# Altium PCB pcb.PcbDoc (part 2 of 2)
Units mm, origin at the board's own origin, x right, y up, seen from the top; angles counter-clockwise.
Board outline 68.58 x 53.34 mm, 2 copper layers (Top Layer, Bottom Layer); 105 components, 71 nets, 323 pads, 73 vias.
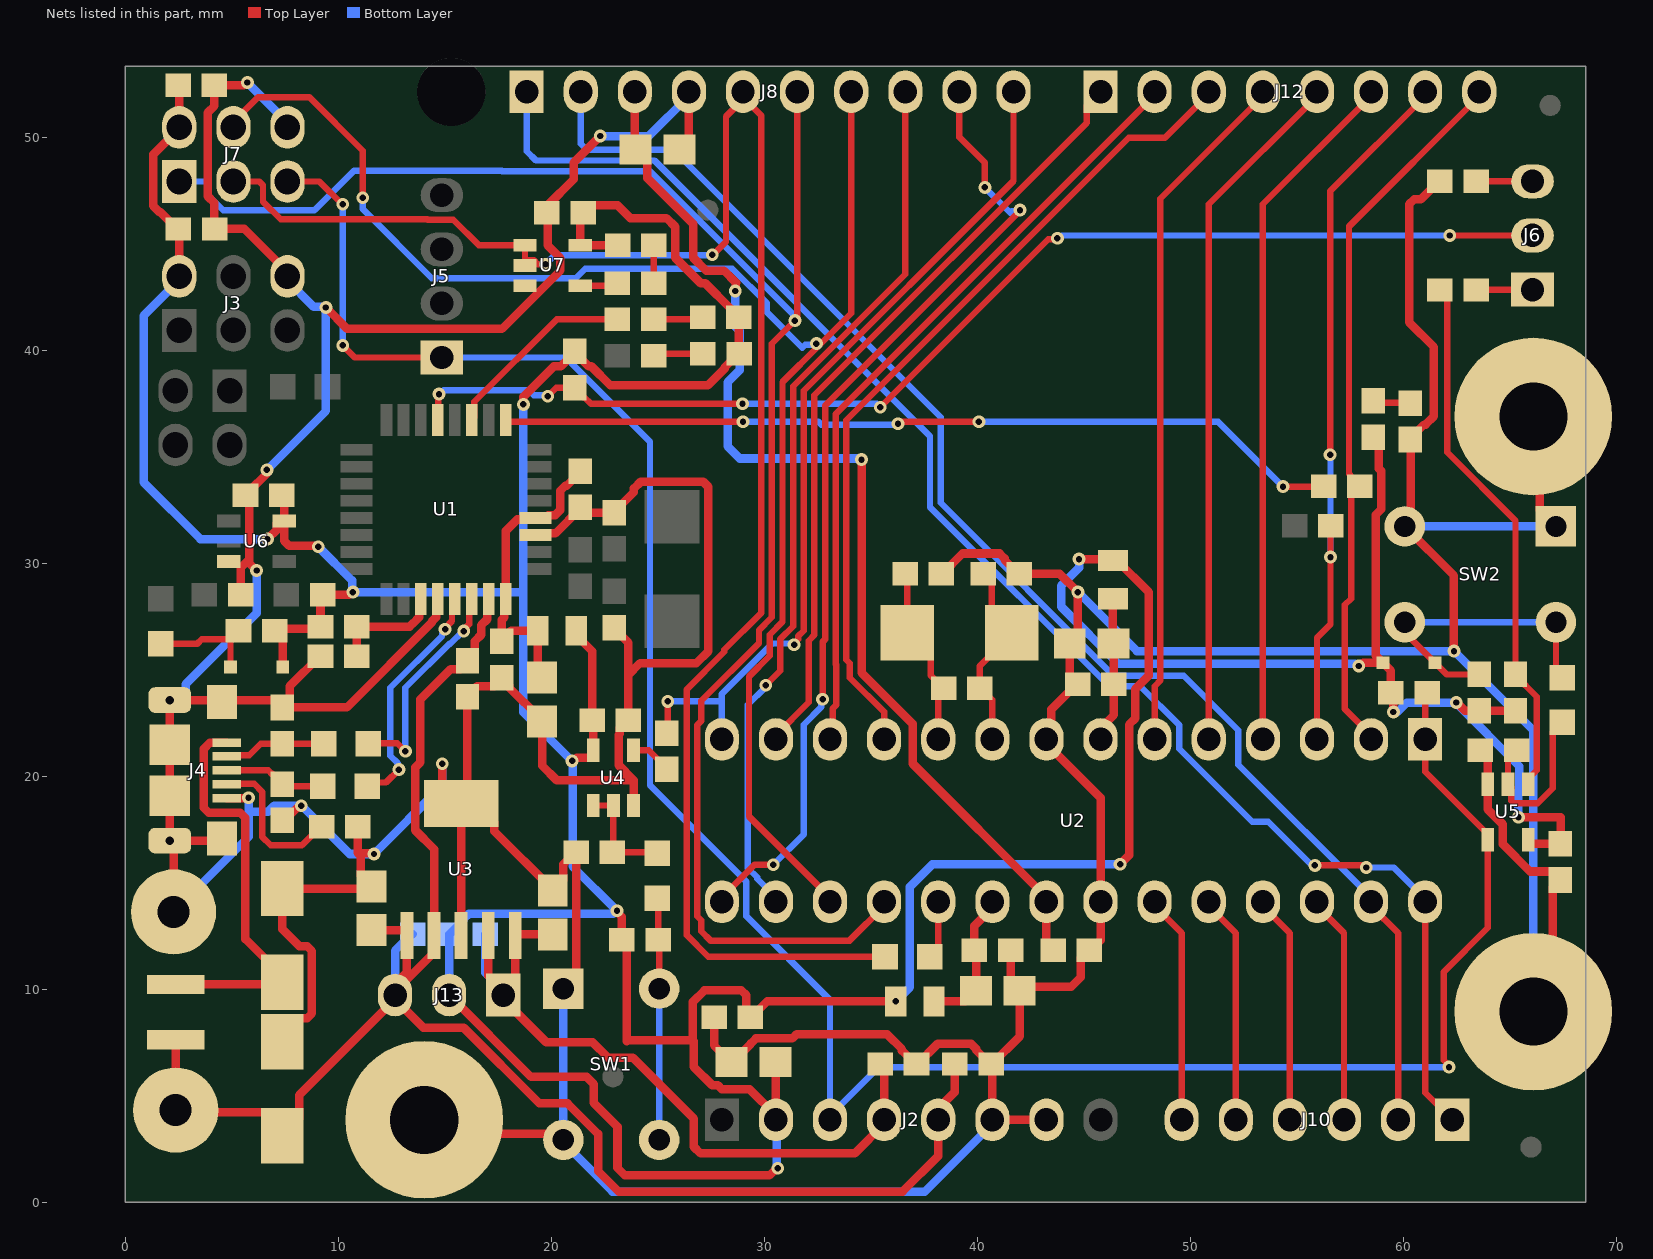
[diagram p2: the nets of this part, all layers, seen from the top]

## Via types
v1: diameter 0.6, hole 0.3, Top Layer to Bottom Layer, 73 vias

## Nets (pads, with @x,y where several pads share a name; then routed paths per layer and width w, separated by ;. In a path a pad name is that pad's centre, name@x,y a point inside that pad or via, vN(x,y) a via of type N, cw(c..) or ccw(c..) an arc to the next point about the centre after c; other vN are vias at no path point) (continued)
16U2_TX: R9.1 U1.9 | length 39.8
  Top Layer w0.3: U1.9@17.871,36.736 17.955,36.652 v1(29.007,36.652) ; v1(36.281,36.561) 36.373,36.652 v1(40.081,36.652) ; v1(54.356,33.604) 56.236,33.604 R9.1@56.261,33.63
  Bottom Layer w0.3: v1(29.007,36.652) 32.548,36.652 32.683,36.518 36.239,36.518 v1(36.281,36.561) ; v1(40.081,36.652) 51.308,36.652 v1(54.356,33.604)
16U2_TX_LED: LED2.1 U1.11 | length 9.2
  Top Layer w0.3: U1.11@16.271,36.736 16.396,36.861 16.396,37.593 20.257,41.454 LED2.1@23.109,41.454
16U2PROG_328P_RESETn: J6.2 R4.1 U1.13 | length 56.7
  Top Layer w0.3: U1.13@14.671,36.736 14.701,36.767 14.701,37.917 v1(14.732,37.948) ; v1(19.837,37.846) 20.244,38.252 R4.1@21.107,38.252 21.107,38.202 21.507,37.802 21.557,37.802 21.869,37.49 v1(28.981,37.49) ; v1(35.45,37.329) 43.343,45.223 43.729,45.223 v1(43.767,45.26) ; v1(62.182,45.393) 66.068,45.393 J6.2@66.071,45.396
  Bottom Layer w0.3: v1(14.732,37.948) 14.783,37.948 14.961,38.125 18.953,38.125 19.175,37.903 19.78,37.903 v1(19.837,37.846) ; v1(28.981,37.49) 35.288,37.49 v1(35.45,37.329) ; v1(43.767,45.26) 43.848,45.26 43.98,45.393 v1(62.182,45.393)
328P_16MHZ_XTAL1: C26.2 R17.1 U2.9 Y2.2 | length 9.2
  Top Layer w0.3: C26.2@40.284,29.515 40.684,29.115 40.684,27.673 Y2.2@41.621,26.736 41.621,26.686 40.121,25.186 R17.1@40.121,24.136 40.171,24.136 40.711,23.596 U2.9@40.711,21.736
328P_16MHZ_XTAL2: C25.2 R17.2 U2.10 Y2.1 | length 8.7
  Top Layer w0.3: C25.2@36.615,29.515 36.721,29.409 Y2.1@36.721,26.736 37.821,25.636 37.821,24.736 37.971,24.586 37.971,24.536 38.371,24.136 R17.2@38.421,24.136 38.171,23.886 U2.10@38.171,21.736
328P_AUTORESETn: C13.1 R21.1 U5.1 | length 25.3
  Top Layer w0.3: C13.1@61.721,42.836 62.061,42.496 62.061,35.218 65.271,32.008 65.271,24.736 66.271,23.736 66.271,20.286 65.871,19.886 U5.1@65.871,19.636
328P_BUF_RESETn: C32.2 R27.2 U5.2 | length 8.2
  Top Layer w0.3: C32.2@65.321,21.236 64.921,20.836 U5.2@64.921,19.636 65.071,19.486 65.071,18.85 65.185,18.736 66.316,18.736 67.021,19.441 67.021,22.086 R27.2@67.471,22.536
328P_RESETn: J2.3 J5.1 J7.5 R16.1 U2.1 U5.4 | length 111.1
  Top Layer w0.3: J7.5@7.62,47.93 9.119,47.93 10.185,46.863 v1(10.211,46.863) ; v1(10.211,40.234) 10.778,39.666 J5.1@14.871,39.666 ; R16.1@61.121,23.936 61.031,23.846 U2.1@61.031,21.736 61.031,20.226 63.971,17.286 U5.4@63.971,17.036 63.971,12.892 61.9,10.82 61.9,6.679 62.151,6.428 v1(62.151,6.353)
  Bottom Layer w0.3: v1(10.211,40.234) v1(10.211,46.863) ; J5.1@14.871,39.666 20.684,39.666 24.638,35.712 24.638,19.583 29.167,15.054 29.167,13.429 33.091,9.505 J2.3@33.091,4.076 ; J2.3@33.091,3.876 J2.3@33.091,4.076 ; v1(62.151,6.353) 35.368,6.353 J2.3@33.091,4.076
+3V3: C4.1 C24.2 J2.4 J13.1 R19.2 U3.4 U3.5 | length 36.6
  Top Layer w0.4: U3.4@17.041,12.536 17.041,10.646 17.751,9.936 J13.1@17.751,9.736 ; C24.2@20.071,12.586 18.361,12.586 U3.5@18.311,12.536 18.311,10.296 J13.1@17.751,9.736 ; C4.1@35.45,6.5 35.631,6.319 35.631,3.676 34.255,2.3 27.011,2.3 26.695,2.616 26.695,3.937 23.832,6.8 22.664,6.8 21.946,7.518 19.769,7.518 17.751,9.536 J13.1@17.751,9.736
  Bottom Layer w0.4: R19.2@16.9,12.6 16.9,10.787 17.751,9.936 J13.1@17.751,9.736 ; J2.4@35.631,3.676 J2.4@35.631,3.876
+3V3_16U2_UCAP: C12.2 R2.1 U1.27 | length 5.4
  Top Layer w0.4: C12.2@10.871,25.636 R2.1@10.871,27.036 13.349,27.036 13.499,27.186 13.512,27.186 13.796,27.47 13.796,28.261 U1.27@13.871,28.336
+5V: C2.1 C8.2 C11.1 C23.2 J2.5 J9.1 J13.3 L1.2 R18.1 U1.31 U3.1 U3.2 | length 83.1
  Top Layer w0.4: L1.2@2.371,7.636 J9.1@2.371,4.336 2.471,4.236 6.571,4.236 7.371,3.436 C11.1@7.371,3.136 8.171,3.936 8.171,5.036 J13.3@12.671,9.536 ; C23.2@11.571,12.786 13.131,12.786 13.231,12.686 U3.1@13.231,12.536 13.231,10.821 12.671,10.261 J13.3@12.671,9.906 ; C8.2@16.071,25.436 16.071,25.386 15.721,25.036 15.282,25.036 13.857,23.611 13.857,20.659 13.621,20.422 13.621,17.47 14.501,16.59 U3.2@14.501,12.536 14.501,11.736 J13.3@12.671,9.906 ; C8.2@16.237,25.552 16.421,25.736 16.421,26.353 16.721,26.653 16.721,27.102 16.996,27.377 16.996,28.261 U1.31@17.071,28.336 ; C2.1@38.95,6.5 38.95,5.18 38.171,4.401 38.171,2.179 36.5,0.508 23.165,0.508 22.2,1.473 22.2,3.217 20.768,4.648 19.45,4.648 15.894,8.204 14.003,8.204 J13.3@12.671,9.536 ; J13.3@12.671,9.536 J13.3@12.671,9.736 J13.3@12.671,9.906
  Bottom Layer w0.4: J13.3@12.901,9.506 J13.3@12.671,9.736 12.671,11.821 13.45,12.6 R18.1@13.5,12.6 ; J2.5@38.171,3.676 J2.5@38.171,3.876
+5V/3V3: C1.2 C3.1 C9.2 C16.2 C27.1 C28.1 C29.1 C30.2 D1.1 D2.1 FB1.1 FB2.1 FB3.1 J2.2 J3.2 J7.2 J13.2 R1.2 R2.2 R4.2 R12.1 R13.1 R14.1 R16.2 R18.2 R19.1 R20.2 R21.2 R22.2 R25.2 R26.2 U4.5 U5.5 U6.5 U7.5 | length 259.6
  Top Layer w0.4: C16.2@2.489,52.451 2.54,52.4 J7.2@2.54,50.47 2.54,50.419 1.321,49.2 1.321,46.783 1.623,46.481 1.669,46.481 2.45,45.7 C9.2@2.5,45.7 2.54,45.66 J3.2@2.54,43.476 ; v1(6.68,31.14) 7.121,31.581 7.121,31.886 7.221,31.986 U6.5@7.471,31.986 7.471,33.079 C29.1@7.35,33.2 ; D2.1@7.396,25.136 7.396,26.486 7.046,26.836 R25.2@7.021,26.836 7.121,26.936 9.071,26.936 R2.2@9.171,27.036 9.171,28.436 R1.2@9.271,28.536 10.524,28.536 10.639,28.651 v1(10.693,28.651) ; U6.5@7.471,31.886 7.471,31.057 7.705,30.823 9.03,30.823 v1(9.068,30.785) ; J13.2@15.211,9.736 19.054,5.893 21.666,5.893 22,5.559 22,4.67 23.114,3.556 23.114,1.621 23.465,1.27 30.248,1.27 30.578,1.6 v1(30.632,1.6) ; v1(18.694,37.465) 18.694,37.821 20.126,39.252 20.457,39.252 21.107,39.902 21.757,39.252 21.885,39.252 22.784,38.354 27.355,38.354 28.138,39.137 28.138,39.203 28.771,39.836 R12.1@28.821,39.836 28.815,39.842 R13.1@28.815,41.554 28.765,41.554 28.415,41.904 28.415,41.97 27.235,43.15 27.021,43.15 25.821,44.35 25.821,45.802 25.41,46.212 23.715,46.212 23.115,46.812 C30.2@21.587,46.812 ; FB1.1@21.171,26.836 21.171,26.636 21.921,25.886 C27.1@21.921,22.636 21.971,22.586 U4.5@21.971,21.236 21.971,20.986 21.871,20.886 v1@21.194,20.886 ; C30.2@21.537,46.812 21.571,46.636 21.371,46.436 U7.5@21.371,44.936 R26.2@23.121,44.936 ; v1(23.089,13.691) 23.089,13.636 23.321,13.404 R20.2@23.321,12.336 23.546,12.111 23.546,7.569 23.591,7.615 26.65,7.615 ; C1.2@30.525,6.6 30.551,6.574 J2.2@30.551,4.076 ; J2.2@30.551,3.876 J2.2@30.551,4.076 ; v1(36.171,9.436) 30.136,9.436 29.4,8.7 C3.1@29.35,8.7 29.165,8.885 29.165,9.722 28.931,9.957 27.191,9.957 26.65,9.416 26.65,7.615 ; v1(44.78,30.201) 46.099,30.201 46.203,30.304 FB2.1@46.371,30.136 46.571,30.136 48.051,28.656 48.051,24.733 47.421,24.103 47.421,22.723 47.131,22.433 47.131,16.295 v1(46.711,15.875) ; v1(57.912,25.183) 57.966,25.183 58.12,25.336 D1.1@59.046,25.336 ; R14.1@58.86,35.89 58.86,34.446 58.961,34.345 58.961,32.535 58.721,32.295 58.721,25.661 D1.1@59.046,25.336 ; v1(59.538,23.026) 59.538,23.819 R16.2@59.421,23.936 59.421,24.961 D1.1@59.046,25.336 ; v1(62.487,23.468) 62.514,23.468 62.896,23.086 R22.2@63.571,23.086 R21.2@65.271,23.086 ; v1(65.411,18.085) 67.391,18.085 67.391,16.856 C28.1@67.371,16.836 65.971,16.836 65.871,16.936 U5.5@65.871,17.036 ; 26.65,7.615 26.695,7.569 26.695,6.364 27.559,5.5 27.825,5.5 28.016,5.309 29.318,5.309 J2.2@30.551,4.076
  Bottom Layer w0.4: J3.2@2.54,43.476 2.54,43.302 0.864,41.625 0.864,33.807 3.531,31.14 v1(6.68,31.14) ; v1(9.068,30.785) 10.655,29.197 10.655,28.689 v1(10.693,28.651) 18.694,28.651 ; J13.2@15.211,9.736 15.211,12.589 15.239,12.589 15.883,13.233 15.883,13.299 16.134,13.55 v1@22.924,13.55 ; v1(18.694,37.465) 18.694,23.012 21.006,20.701 21.006,15.773 v1(23.089,13.691) ; J2.2@30.551,3.876 30.594,3.833 30.594,1.638 v1(30.632,1.6) ; v1(36.171,9.436) 36.831,10.096 36.831,14.809 37.897,15.875 v1(46.711,15.875) ; v1(44.78,30.201) 44.78,29.794 43.948,28.962 43.948,27.964 46.629,25.283 57.758,25.283 57.858,25.183 v1(57.912,25.183) ; v1(59.538,23.026) 59.732,23.026 60.174,23.468 v1(62.487,23.468) 62.487,23.441 65.456,20.472 65.456,19.328 65.411,19.283 v1(65.411,18.085)
  other v1: 20.98,20.726
+5V/3V3_16U2: C5.2 C6.2 C7.2 FB1.2 U1.4 U1.32 | length 14.7
  Top Layer w0.4: C7.2@17.671,26.336 C7.2@17.671,26.386 ; C5.2@19.571,24.636 19.371,24.836 FB1.2@19.371,26.836 18.121,26.836 C7.2@17.671,26.386 ; C6.2@21.371,34.336 21.371,34.286 20.738,33.653 20.672,33.653 20.421,33.402 20.421,32.495 20.187,32.261 19.871,32.261 19.746,32.136 U1.4@19.271,32.136 19.196,32.061 18.405,32.061 17.871,31.527 U1.32@17.871,28.336 17.796,28.261 17.796,27.47 17.671,27.345 C7.2@17.671,26.386
+5V/3V3_328P_AVCC: C20.2 C21.2 FB3.2 U2.20 | length 6.7
  Top Layer w0.4: FB3.2@37.971,9.436 39.446,9.436 C20.2@39.946,9.936 39.946,11.761 C21.2@39.871,11.836 39.871,12.986 40.711,13.826 U2.20@40.711,14.116
+5V/3V3_328P_VCC: C17.2 C18.2 FB2.2 U2.7 | length 6.9
  Top Layer w0.4: U2.7@45.791,21.736 45.791,22.261 46.421,22.891 C18.2@46.421,24.336 46.421,26.211 C17.2@46.396,26.236 46.371,26.261 FB2.2@46.371,28.336
+5V_USB: C10.1 J4.1 L1.1 | length 19.6
  Top Layer w0.4: L1.1@2.371,10.236 7.271,10.236 C10.1@7.371,10.336 7.371,10.636 5.646,12.361 5.646,18.052 5.412,18.286 3.93,18.286 3.696,18.52 3.696,21.302 3.98,21.586 J4.1@4.771,21.586
+AREF: C19.2 C22.2 J8.3 U2.21 | length 52.8
  Top Layer w0.4: J8.3@23.927,52.146 23.927,49.47 C19.2@23.969,49.428 24.019,49.428 24.519,48.928 24.519,48.085 26.667,45.936 26.667,44.352 27.269,43.75 28.107,43.75 28.689,43.168 28.676,43.156 28.676,42.824 v1(28.638,42.786) ; v1(34.569,34.874) 34.569,24.867 36.971,22.465 36.971,20.596 43.251,14.316 U2.21@43.251,14.116 43.251,12.156 C22.2@43.571,11.836
  Bottom Layer w0.4: v1(28.638,42.786) 28.638,41.136 28.854,40.92 28.854,39.074 28.281,38.501 28.281,35.499 28.855,34.925 34.519,34.925 v1(34.569,34.874)
AD0: J10.6 U2.23 | length 10.8
  Top Layer w0.3: U2.23@48.331,14.116 48.331,13.916 49.601,12.646 J10.6@49.601,3.876
AD1: J10.5 U2.24 | length 10.8
  Top Layer w0.3: U2.24@50.871,14.116 50.871,13.916 52.141,12.646 J10.5@52.141,3.876
AD2: J10.4 U2.25 | length 10.8
  Top Layer w0.3: U2.25@53.411,14.116 53.411,13.916 54.681,12.646 J10.4@54.681,3.876
AD3: J10.3 U2.26 | length 10.8
  Top Layer w0.3: U2.26@55.951,14.116 55.951,13.916 57.221,12.646 J10.3@57.221,3.876
AD4/SDA: J8.2 J10.2 U2.27 | length 68.5
  Top Layer w0.3: U2.27@58.491,14.116 58.491,13.916 59.761,12.646 J10.2@59.761,3.876
  Bottom Layer w0.3: J8.2@21.387,52.146 21.387,49.708 21.681,49.413 25.725,49.413 38.285,36.854 38.285,32.849 46.401,24.733 49.701,24.733 52.261,22.172 52.261,20.552 58.491,14.322 U2.27@58.491,14.116
AD5/SCL: J8.1 J10.1 U2.28 | length 73
  Top Layer w0.3: v1(55.855,15.824) 58.166,15.824 v1(58.268,15.723) ; U2.28@61.031,14.116 61.031,5.146 J10.1@62.301,3.876
  Bottom Layer w0.3: J8.1@18.847,52.146 18.847,49.354 19.288,48.913 24.848,48.913 37.785,35.977 37.785,32.642 46.194,24.233 47.661,24.233 49.481,22.412 49.481,21.3 52.915,17.866 53.66,17.866 55.702,15.824 v1(55.855,15.824) ; v1(58.268,15.723) 59.556,15.723 61.031,14.247 U2.28@61.031,14.116
BUTTON_RESETn: D1.2 R22.1 R27.1 SW2.3 SW2.4 | length 14.6
  Top Layer w0.3: SW2.4@60.071,27.236 60.377,26.93 60.377,26.455 D1.2@61.496,25.336 62.046,24.786 R22.1@63.571,24.786 ; SW2.3@67.171,27.236 67.171,24.936 R27.1@67.471,24.636
  Bottom Layer w0.3: SW2.4@60.071,27.236 SW2.3@67.171,27.236
CON_USB_N: J4.2 R5.1 Z2.2 | length 4.8
  Top Layer w0.3: J4.2@4.771,20.936 4.821,20.986 5.821,20.986 6.371,21.536 Z2.2@7.371,21.536 R5.1@9.321,21.536
CON_USB_P: J4.3 R6.1 Z1.2 | length 4.8
  Top Layer w0.3: J4.3@4.771,20.286 6.721,20.286 6.921,20.086 6.971,20.086 7.371,19.686 Z1.2@7.371,19.636 7.471,19.536 R6.1@9.271,19.536
GND: C1.1 C2.2 C3.2 C4.2 C5.1 C6.1 C7.1 C8.1 C9.1 C10.2 C11.2 C12.1 C14.1 C15.1 C16.1 C17.1 C18.1 C19.1 C20.1 C21.1 C22.1 C23.1 C24.1 C25.1 C26.1 C27.2 C28.2 C29.2 C30.1 C31.1 C32.1 C33.1 J2.6 J2.7 J3.6 J4.5 J4.6 J4.7 J4.8 J4.9 J4.10 J4.11 J7.6 J8.4 J11.1 LED3.1 MH1.1 MH2.1 MH3.1 R8.2 R11.1 SW1.1 SW1.2 SW2.1 SW2.2 U1.3 U1.28 U2.8 U2.22 U3.3 U3.6 U4.3 U5.3 U6.3 U7.3 Z1.1 Z2.1 | length 397.3
  Top Layer w0.4: J11.1@2.271,13.636 2.271,16.811 J4.9@2.096,16.986 ; J4.7@4.546,17.086 4.446,16.986 J4.9@2.096,16.986 ; J4.5@4.771,18.986 5.778,18.986 v1(5.791,18.999) ; C33.1@5.421,28.536 5.421,29.786 5.821,30.186 ; v1(5.74,52.578) 5.686,52.578 5.559,52.451 C16.1@4.189,52.451 4.189,51.476 3.88,51.167 3.88,47.233 4.189,46.924 4.189,45.711 C9.1@4.2,45.7 5.596,45.7 7.62,43.676 J3.6@7.62,43.476 ; v1(6.171,29.665) 5.821,30.015 5.821,30.186 ; v1(6.655,34.392) 6.655,34.22 5.821,33.387 5.821,30.186 ; C11.2@7.371,7.536 7.371,7.836 8.171,8.636 8.537,8.636 8.771,8.87 8.771,11.802 8.537,12.036 8.171,12.036 7.371,12.836 C10.2@7.371,14.736 11.471,14.736 C23.1@11.571,14.836 11.071,15.336 11.071,16.261 10.936,16.396 ; Z1.1@7.371,17.986 7.454,17.903 8.178,18.628 v1(8.271,18.628) ; C12.1@9.171,25.636 9.121,25.636 7.721,24.236 7.721,23.586 Z2.1@7.371,23.236 ; v1(9.423,42.012) 10.429,41.006 17.688,41.006 20.436,43.754 20.436,44.334 19.837,44.932 C30.1@19.837,46.457 ; R8.2@10.921,17.636 10.921,16.411 10.936,16.396 ; v1(11.684,16.358) 11.646,16.396 10.936,16.396 ; MH1.1@14.041,3.876 14.694,3.223 20.284,3.223 SW1.2@20.571,2.936 ; U1.28@14.671,28.336 14.596,28.261 14.596,27.47 14.396,27.27 14.396,27.222 10.41,23.236 Z2.1@7.371,23.236 ; v1(14.884,20.599) 14.884,18.923 14.697,18.736 U3.6@15.771,18.736 ; U3.3@15.771,12.536 U3.6@15.771,18.736 ; U1.3@19.271,31.336 19.346,31.411 20.196,31.411 21.371,32.586 C6.1@21.371,32.636 21.621,32.386 C15.1@22.971,32.386 22.971,32.436 23.887,33.352 23.887,33.517 24.205,33.836 27.137,33.836 27.371,33.602 27.371,25.87 26.818,25.318 24.174,25.318 23.621,24.765 ; C30.1@19.8,46.457 C30.1@19.837,46.457 ; C30.1@19.85,46.457 C30.1@19.837,46.457 ; SW1.1@20.571,10.036 21.171,10.636 C31.1@21.171,16.436 21.121,16.436 20.571,15.886 20.571,15.136 C24.1@20.071,14.636 20.071,14.686 17.321,17.436 17.321,17.836 16.421,18.736 U3.6@15.771,18.736 ; v1(22.301,50.063) 21.05,48.812 21.05,48.025 19.837,46.812 C30.1@19.837,46.457 ; C14.1@22.971,26.986 22.971,26.936 23.621,26.286 23.621,24.765 ; U4.3@23.871,18.636 23.871,19.82 ; C19.1@26.019,49.428 26.467,49.877 J8.4@26.467,52.146 ; C3.2@27.65,8.7 27.65,7.375 28.425,6.6 C1.1@28.475,6.6 28.525,6.6 29.375,7.45 29.375,7.466 29.609,7.7 31.322,7.7 31.521,7.899 35.766,7.899 36.467,7.199 36.467,7.133 37.1,6.5 C4.2@37.15,6.5 37.2,6.5 38.15,7.45 39.716,7.45 39.95,7.216 39.95,7.15 40.6,6.5 C2.2@40.65,6.5 ; C25.1@38.315,29.515 38.365,29.515 39.315,30.465 41.05,30.465 41.284,30.23 41.284,30.165 41.934,29.515 C26.1@41.984,29.515 43.866,29.515 v1(44.729,28.651) 44.729,26.619 C17.1@44.346,26.236 44.346,24.686 C18.1@44.696,24.336 ; C21.1@41.571,11.836 41.571,10.361 41.797,10.135 44.425,10.135 44.871,10.581 44.871,11.486 45.221,11.836 C22.1@45.271,11.836 45.321,11.836 45.791,12.306 U2.22@45.791,14.116 45.791,18.996 43.251,21.536 43.481,21.766 43.481,23.146 44.671,24.336 C18.1@44.696,24.336 ; C20.1@41.996,9.936 41.996,7.796 40.7,6.5 C2.2@40.65,6.5 ; J2.7@43.251,3.876 J2.6@40.711,3.876 40.711,6.439 C2.2@40.65,6.5 ; C18.1@44.721,24.336 C18.1@44.696,24.336 ; R11.1@61.721,47.936 61.671,47.936 60.827,47.092 60.509,47.092 60.284,46.867 60.284,41.316 61.443,40.157 61.443,36.91 61.048,36.516 60.983,36.516 60.358,35.892 60.358,32.023 SW2.2@60.071,31.736 62.382,29.425 v1(62.382,25.883) ; C32.1@63.621,21.236 63.971,20.886 U5.3@63.971,19.636 63.971,18.452 64.671,17.752 64.671,16.82 65.955,15.536 67.021,15.536 67.371,15.186 C28.2@67.371,15.136 67.021,14.786 67.021,9.866 MH2.1@66.111,8.956 ; MH3.1@66.111,36.896 66.421,36.586 66.421,32.486 SW2.1@67.171,31.736 ; J4.9@2.096,16.986 J4.11@2.096,19.086 J4.10@2.096,21.486 J4.8@2.096,23.586 7.021,23.586 Z2.1@7.371,23.236 ; U3.6@15.771,18.736 16.071,19.036 C8.1@16.071,23.736 16.071,23.786 16.521,24.236 17.321,24.236 17.671,24.586 C7.1@17.671,24.636 18.021,24.286 18.021,24.17 18.705,23.486 18.721,23.486 19.571,22.636 C5.1@19.571,22.586 19.571,20.51 20.261,19.82 23.871,19.82 ; 23.621,24.765 C27.2@23.621,22.636 23.571,22.636 23.221,22.286 23.221,22.002 23.171,21.952 23.171,20.52 23.871,19.82
  Bottom Layer w0.4: J4.8@2.096,23.586 2.442,23.586 2.834,23.978 2.834,24.324 6.171,27.661 v1(6.171,29.665) ; J11.1@2.271,13.636 5.791,17.156 5.791,18.339 ; v1(5.74,52.578) 5.74,52.564 7.62,50.684 J7.6@7.62,50.47 ; v1(5.791,18.999) 5.791,18.339 ; v1(6.655,34.392) 9.423,37.16 v1(9.423,42.012) 9.385,42.05 8.846,42.05 7.62,43.276 J3.6@7.62,43.476 ; v1(14.884,20.599) 14.884,19.558 v1(11.684,16.358) 10.541,16.358 v1(8.271,18.628) 7.001,18.628 6.712,18.339 5.791,18.339 ; SW1.1@20.571,10.036 SW1.2@20.571,2.936 20.571,2.812 22.875,0.508 37.543,0.508 40.711,3.676 J2.6@40.711,3.876 ; v1(22.301,50.063) 24.584,50.063 26.467,51.946 J8.4@26.467,52.146 ; v1(44.729,28.651) 47.498,25.883 v1(62.382,25.883) 66.111,22.154 MH2.1@66.111,8.956 ; SW2.2@60.071,31.736 SW2.1@67.171,31.736
IO0: J12.8 R9.2 U2.2 | length 34.2
  Top Layer w0.3: R9.2@57.961,33.63 57.952,33.629 57.553,33.23 57.553,28.343 57.262,28.052 57.262,23.165 58.491,21.936 U2.2@58.491,21.736 ; R9.2@57.961,33.63 57.911,33.63 57.511,34.03 57.511,34.149 57.455,34.205 57.455,45.82 63.571,51.936 J12.8@63.571,52.136
  Bottom Layer w0.3: J12.8@63.571,51.936 J12.8@63.571,52.136
IO1: J12.7 R10.2 U2.3 | length 34.2
  Top Layer w0.3: U2.3@55.951,21.736 55.951,26.506 56.584,27.139 v1(56.584,30.295) 56.584,31.757 R10.2@56.603,31.775 ; v1(56.566,35.103) 56.566,47.471 61.031,51.936 J12.7@61.031,52.136
  Bottom Layer w0.3: v1(56.566,35.103) 56.584,35.084 v1(56.584,30.295) ; J12.7@61.031,51.936 J12.7@61.031,52.136
IO2: J12.6 U2.4 | length 32.5
  Top Layer w0.3: U2.4@53.411,21.736 53.411,46.856 58.491,51.936 J12.6@58.491,52.136
IO3: J12.5 U2.5 | length 32.5
  Top Layer w0.3: U2.5@50.871,21.736 50.871,46.856 55.951,51.936 J12.5@55.951,52.136
IO4: J12.4 U2.6 | length 32.5
  Top Layer w0.3: U2.6@48.331,21.736 48.331,24.235 48.601,24.505 48.601,47.126 53.411,51.936 J12.4@53.411,52.136
IO5: J12.3 U2.11 | length 39.2
  Top Layer w0.3: U2.11@35.631,21.736 35.631,23.027 34.019,24.639 34.019,25.315 33.858,25.476 33.858,36.728 47.117,49.987 48.819,49.987 50.871,52.039 J12.3@50.871,52.136
IO6: J12.2 U2.12 | length 36.7
  Top Layer w0.3: U2.12@33.091,21.736 33.224,21.869 33.224,23.186 33.391,23.353 33.391,25.237 33.358,25.269 33.358,37.016 48.331,51.989 J12.2@48.331,52.136
IO7: J12.1 U2.13 | length 36.7
  Top Layer w0.3: U2.13@30.551,21.736 30.551,21.936 32.091,23.476 32.091,26.371 32.358,26.638 32.358,37.895 45.141,50.678 45.141,51.486 J12.1@45.791,52.136
IO8: J8.10 R23.2 U2.14 | length 40.5
  Top Layer w0.3: R23.2@25.425,22.034 25.476,22.084 v1(25.476,23.52) ; 31.591,26.447 31.591,26.578 31.858,26.845 31.858,38.103 41.707,47.951 J8.10@41.707,52.146
  Bottom Layer w0.3: v1(25.476,23.52) 27.922,23.52 28.011,23.431 ; U2.14@28.011,21.736 28.011,23.431 ; v1(31.405,26.18) 31.347,26.237 30.679,26.237 30.678,26.238 30.378,26.238 28.011,23.871 28.011,23.431
IO9: J8.9 U2.15 | length 46
  Top Layer w0.3: U2.15@28.011,14.116 28.011,14.316 29.545,15.85 v1(30.429,15.85) ; v1(32.741,23.622) 32.741,26.314 32.858,26.431 32.858,37.405 42.009,46.556 v1(42.009,46.586) ; J8.9@39.116,52.095 J8.9@39.167,52.146 39.167,50.013 40.361,48.819 v1(40.361,47.65)
  Bottom Layer w0.3: v1(30.429,15.85) 31.852,17.272 31.852,22.428 32.683,23.26 32.683,23.565 v1(32.741,23.622) ; v1(40.361,47.65) 41.547,46.464 41.612,46.529 41.952,46.529 v1(42.009,46.586)
MISO: J7.1 J8.6 U2.18 | length 84.6
  Top Layer w0.3: v1(31.443,41.4) 30.358,40.315 30.358,27.467 29.755,26.863 29.755,26.25 27.051,23.546 27.051,22.602 26.861,22.412 26.861,13.44 27.051,13.25 27.051,12.723 27.481,12.294 34.009,12.294 35.631,13.916 U2.18@35.631,14.116 ; v1@31.547,41.4 31.547,41.735 J8.6@31.547,52.146
  Bottom Layer w0.3: J7.1@2.54,47.93 3.754,47.93 3.93,47.754 3.93,47.253 4.604,46.58 8.886,46.58 10.742,48.436 17.678,48.436 17.701,48.413 24.637,48.413 31.385,41.665 31.385,41.457 v1(31.443,41.4)
MOSI: J7.4 J8.7 U2.17 | length 77
  Top Layer w0.3: J7.4@5.08,50.47 5.08,50.724 6.248,51.892 8.636,51.892 11.151,49.378 v1(11.151,47.168) ; v1(32.45,40.321) v1@32.556,40.215 ; U2.17@33.091,14.116 33.091,14.316 29.286,18.121 29.286,24.689 30.255,25.657 30.255,26.656 30.858,27.26 30.858,38.517 v1@32.556,40.215 ; J8.7@34.087,52.146 34.087,41.745 v1@32.556,40.215
  Bottom Layer w0.3: v1(11.151,47.168) 11.151,46.64 14.397,43.394 21.149,43.394 21.596,43.84 28.503,43.84 30.118,42.225 30.118,41.805 31.791,40.132 31.923,40.263 32.393,40.263 v1(32.45,40.321)
NetC13_2: C13.2 J6.1 | length 2.7
  Top Layer w0.3: C13.2@63.421,42.836 63.441,42.856 J6.1@66.071,42.856
NetD2_2: D2.2 R25.1 R28.1 | length 5.2
  Top Layer w0.3: R28.1@1.671,26.236 3.396,26.236 3.596,26.436 4.921,26.436 R25.1@4.946,26.461 ; D2.2@4.946,25.136 R25.1@4.946,26.461 ; R25.1@5.321,26.836 R25.1@4.946,26.461
NetJ4_4: J4.4 R8.1 | length 7.2
  Top Layer w0.3: J4.4@4.771,19.636 4.784,19.649 6.06,19.649 6.441,19.268 6.441,17.155 6.833,16.764 8.299,16.764 9.171,17.636 R8.1@9.221,17.636
NetJ6_3: J6.3 R11.2 | length 2.6
  Top Layer w0.3: R11.2@63.421,47.936 J6.3@66.071,47.936
NetLED1_2: LED1.2 R12.2 | length 2.3
  Top Layer w0.3: LED1.2@24.809,39.754 24.892,39.836 R12.2@27.121,39.836
NetLED2_2: LED2.2 R13.2 | length 2.3
  Top Layer w0.3: LED2.2@24.809,41.454 27.015,41.454 R13.2@27.115,41.554
NetLED3_2: LED3.2 R14.2 | length 2.3
  Top Layer w0.3: R14.2@58.395,37.54 LED3.2@60.66,37.54
NetLED4_1: LED4.1 U7.4 | length 1.8
  Top Layer w0.3: U7.4@21.371,43.036 22.992,43.036 LED4.1@23.109,43.154
NetLED4_2: LED4.2 R26.1 | length 1.8
  Top Layer w0.3: LED4.2@24.809,43.154 24.821,43.165 R26.1@24.821,44.936
NetR23_1: R23.1 U4.4 | length 2
  Top Layer w0.3: U4.4@23.871,21.236 24.573,21.236 25.425,20.384 R23.1@25.425,20.334
SCK: J7.3 J8.5 R15.2 U7.1 U7.2 | length 84.5
  Top Layer w0.3: J7.3@5.08,47.93 6.294,47.93 6.47,47.754 6.47,46.985 7.304,46.152 14.179,46.152 14.195,46.136 15.408,46.136 16.608,44.936 U7.1@18.771,44.936 U7.2@18.771,44.246 ; U7.2@18.771,43.986 U7.2@18.771,44.246 ; v1(19.736,44.044) 19.376,44.044 19.173,44.246 U7.2@18.771,44.246 ; v1(27.559,44.49) 27.599,44.49 28.206,45.097 28.206,50.979 29.007,51.78 J8.5@29.007,51.881 ; J8.5@29.007,52.146 J8.5@29.007,51.881 ; R15.2@35.671,11.536 27.377,11.536 26.361,12.552 26.361,24.083 28.124,25.846 28.124,25.94 29.858,27.674 29.858,51.03 J8.5@29.007,51.881
  Bottom Layer w0.3: v1(19.736,44.044) 20.168,44.475 27.544,44.475 v1(27.559,44.49)
SCK_R: R15.1 U2.19 | length 2.7
  Top Layer w0.3: R15.1@37.771,11.536 38.171,11.936 U2.19@38.171,14.116
SS: J8.8 U2.16 | length 41.6
  Top Layer w0.3: v1(30.074,24.282) 30.755,24.964 30.755,26.449 31.358,27.052 31.358,38.31 36.627,43.578 J8.8@36.627,52.146
  Bottom Layer w0.3: v1(30.074,24.282) 30.074,24.201 29.235,23.363 29.235,15.693 29.667,15.261 29.667,15.2 30.551,14.316 U2.16@30.551,14.116
USB_N: R5.2 U1.30 | length 10.4
  Top Layer w0.3: R5.2@11.421,21.536 11.45,21.565 12.776,21.565 v1(13.157,21.184) ; v1(15.9,26.822) 15.9,26.904 16.146,27.149 16.146,28.211 U1.30@16.271,28.336
  Bottom Layer w0.3: v1(13.157,21.184) 13.157,24.155 15.226,26.224 15.259,26.224 15.857,26.822 v1(15.9,26.822)
USB_P: R6.2 U1.29 | length 11.2
  Top Layer w0.3: R6.2@11.371,19.536 11.548,19.713 12.245,19.713 v1(12.852,20.32) ; v1(15.02,26.904) 15.02,26.968 15.346,27.294 15.346,28.211 U1.29@15.471,28.336
  Bottom Layer w0.3: v1(12.852,20.32) 12.795,20.377 12.795,20.627 12.446,20.976 12.446,24.155 14.877,26.586 14.877,26.68 15.02,26.823 v1(15.02,26.904)
USER_BUTTON: R20.1 R24.1 SW1.3 SW1.4 | length 11.8
  Top Layer w0.3: SW1.4@24.917,3.09 SW1.4@25.071,2.936 ; SW1.3@24.917,9.882 SW1.3@25.071,10.036 25.071,12.286 R20.1@25.021,12.336 25.021,14.236 R24.1@24.971,14.286
  Bottom Layer w0.3: SW1.4@25.071,2.936 SW1.3@25.071,10.036
USER_BUTTON_BUF: C31.2 R24.2 U4.1 U4.2 | length 5.3
  Top Layer w0.3: U4.1@21.971,18.636 U4.2@22.921,18.636 22.921,16.486 C31.2@22.871,16.436 24.921,16.436 R24.2@24.971,16.386
pads on no net: FID1.1 FID2.1 FID3.1 FID4.1 J2.1 J2.8 MH4.1 U1.5 U1.6 U1.7 U1.12 U1.14 U1.22 U1.23 U1.25 U1.26

## Polygon pours and split planes (outlines as drawn)
+5V on Top Layer "+5V_L01_P000" (solid, pour order 0): 0.762,0.762 0.762,11.43 10.414,11.43 10.414,14.732 20.522,14.732 27.634,7.62 39.37,7.62 39.37,0.762
GND on Top Layer "GND_L01_P005" (solid, remove dead copper, pour order 5): 0.762,12.192 26.162,12.192 26.416,11.938 26.416,8.128 28.448,6.096 39.624,6.096 39.624,0.508 39.878,0.762 67.564,0.762 67.564,52.324 67.31,52.07 0.762,52.07
GND on Bottom Layer "GND_L02_P006" (solid, remove dead copper, pour order 6): 0.762,0.762 0.762,52.07 67.564,52.07 67.564,0.762

## Other copper
Top Layer:
  pour cut-out: 20.828,44.958 20.828,42.926 21.082,42.672 25.4,42.672 25.4,45.212 25.201,45.411 20.902,45.411 20.902,45.032
  pour cut-out: 10.41,23.236 10.41,23.285 14.596,27.47 14.596,28.261 14.514,28.179 2.471,28.179 2.471,24.199 2.713,23.957 7.186,23.957 7.186,23.421 7.371,23.236
  pour cut-out: 29.858,35.768 29.841,35.786 18.067,35.786 18.067,26.449 17.733,26.115 30.255,26.115 30.255,35.665 30.358,35.768
  pour cut-out: 29.025,35.75 29.025,37.452 28.913,37.564 18.067,37.564 18.067,35.532 18.321,35.786 28.989,35.786 28.989,37.437 29.014,37.462

## Silkscreen, mask and mechanical layers (free items; w line width, h text height)
Top Overlay:
  text "ICSP" at 6.528,52.095 h1
  text "IO1" at 60.198,49.53 h0.8
  text "IO0" at 62.484,49.53 h0.8
  text "SCL" at 19.304,48.006 h0.8 r90
  text "SDA" at 21.844,48.006 h0.8 r90
  text "SCK" at 29.464,47.498 h0.8 r90
  text "MISO" at 32.004,47.498 h0.8 r90
  text "MOSI" at 34.544,47.498 h0.8 r90
  text "SS" at 37.084,47.498 h0.8 r90
  text "IO9" at 39.878,47.244 h0.8 r90
  text "IO8" at 42.164,47.244 h0.8 r90
  text "IO7" at 45.974,47.244 h0.8 r90
  text "IO6" at 48.768,46.99 h0.8 r90
  text "IO5" at 51.308,46.99 h0.8 r90
  text "IO4" at 53.848,46.99 h0.8 r90
  text "IO3" at 56.388,46.99 h0.8 r90
  text "IO2" at 58.928,46.99 h0.8 r90
  text "ARF" at 24.13,45.974 h0.8 r90
  text "GND" at 26.416,45.974 h0.8 r90
  text "TX" at 20.066,41.148 h1
  text "RX" at 23.271,37.616 h1
  text "RESET" at 58.697,27.19 h1 r90
  text "1" at 60.477,20.396 h1 r270
  text "SCL" at 62.154,7.734 h0.8 r90
  text "AD0" at 49.784,7.62 h0.8 r90
  text "AD1" at 52.324,7.62 h0.8 r90
  text "AD2" at 55.118,7.62 h0.8 r90
  text "AD3" at 57.404,7.62 h0.8 r90
  text "SDA" at 59.944,7.62 h0.8 r90
  text "VCC" at 30.109,0.608 h0.5 r90
  text "RST" at 33.428,0.608 h0.5 r90
  text "3V3" at 35.968,0.608 h0.5 r90
  text "5V" at 38.508,0.608 h0.5 r90
  text "GND" at 41.048,0.608 h0.5 r90
  text "GND" at 43.588,0.608 h0.5 r90
  text "USER" at 21.082,0.508 h1
Bottom Overlay:
  text "EXTERNAL / GND" at 4.826,11.43 h1 r270
  text "EXTERNAL / +5V" at 5.08,0.762 h1 r270
Board Outline:
  lines w0.2: 0,0 0,53.34 68.42,53.34 68.5,53.26 68.5,0.08 68.58,0 0,0
Mechanical 29:
  lines w0.2: 68.5,53.4 68.6,53.3

## Dimensions
0,53.34 to -0.254,0 on Mechanical 16
0,53.594 to 68.58,54.102 on Mechanical 16